# Altium PCB AIR_MOUNT23.PcbDoc (part 1 of 4) (continued)
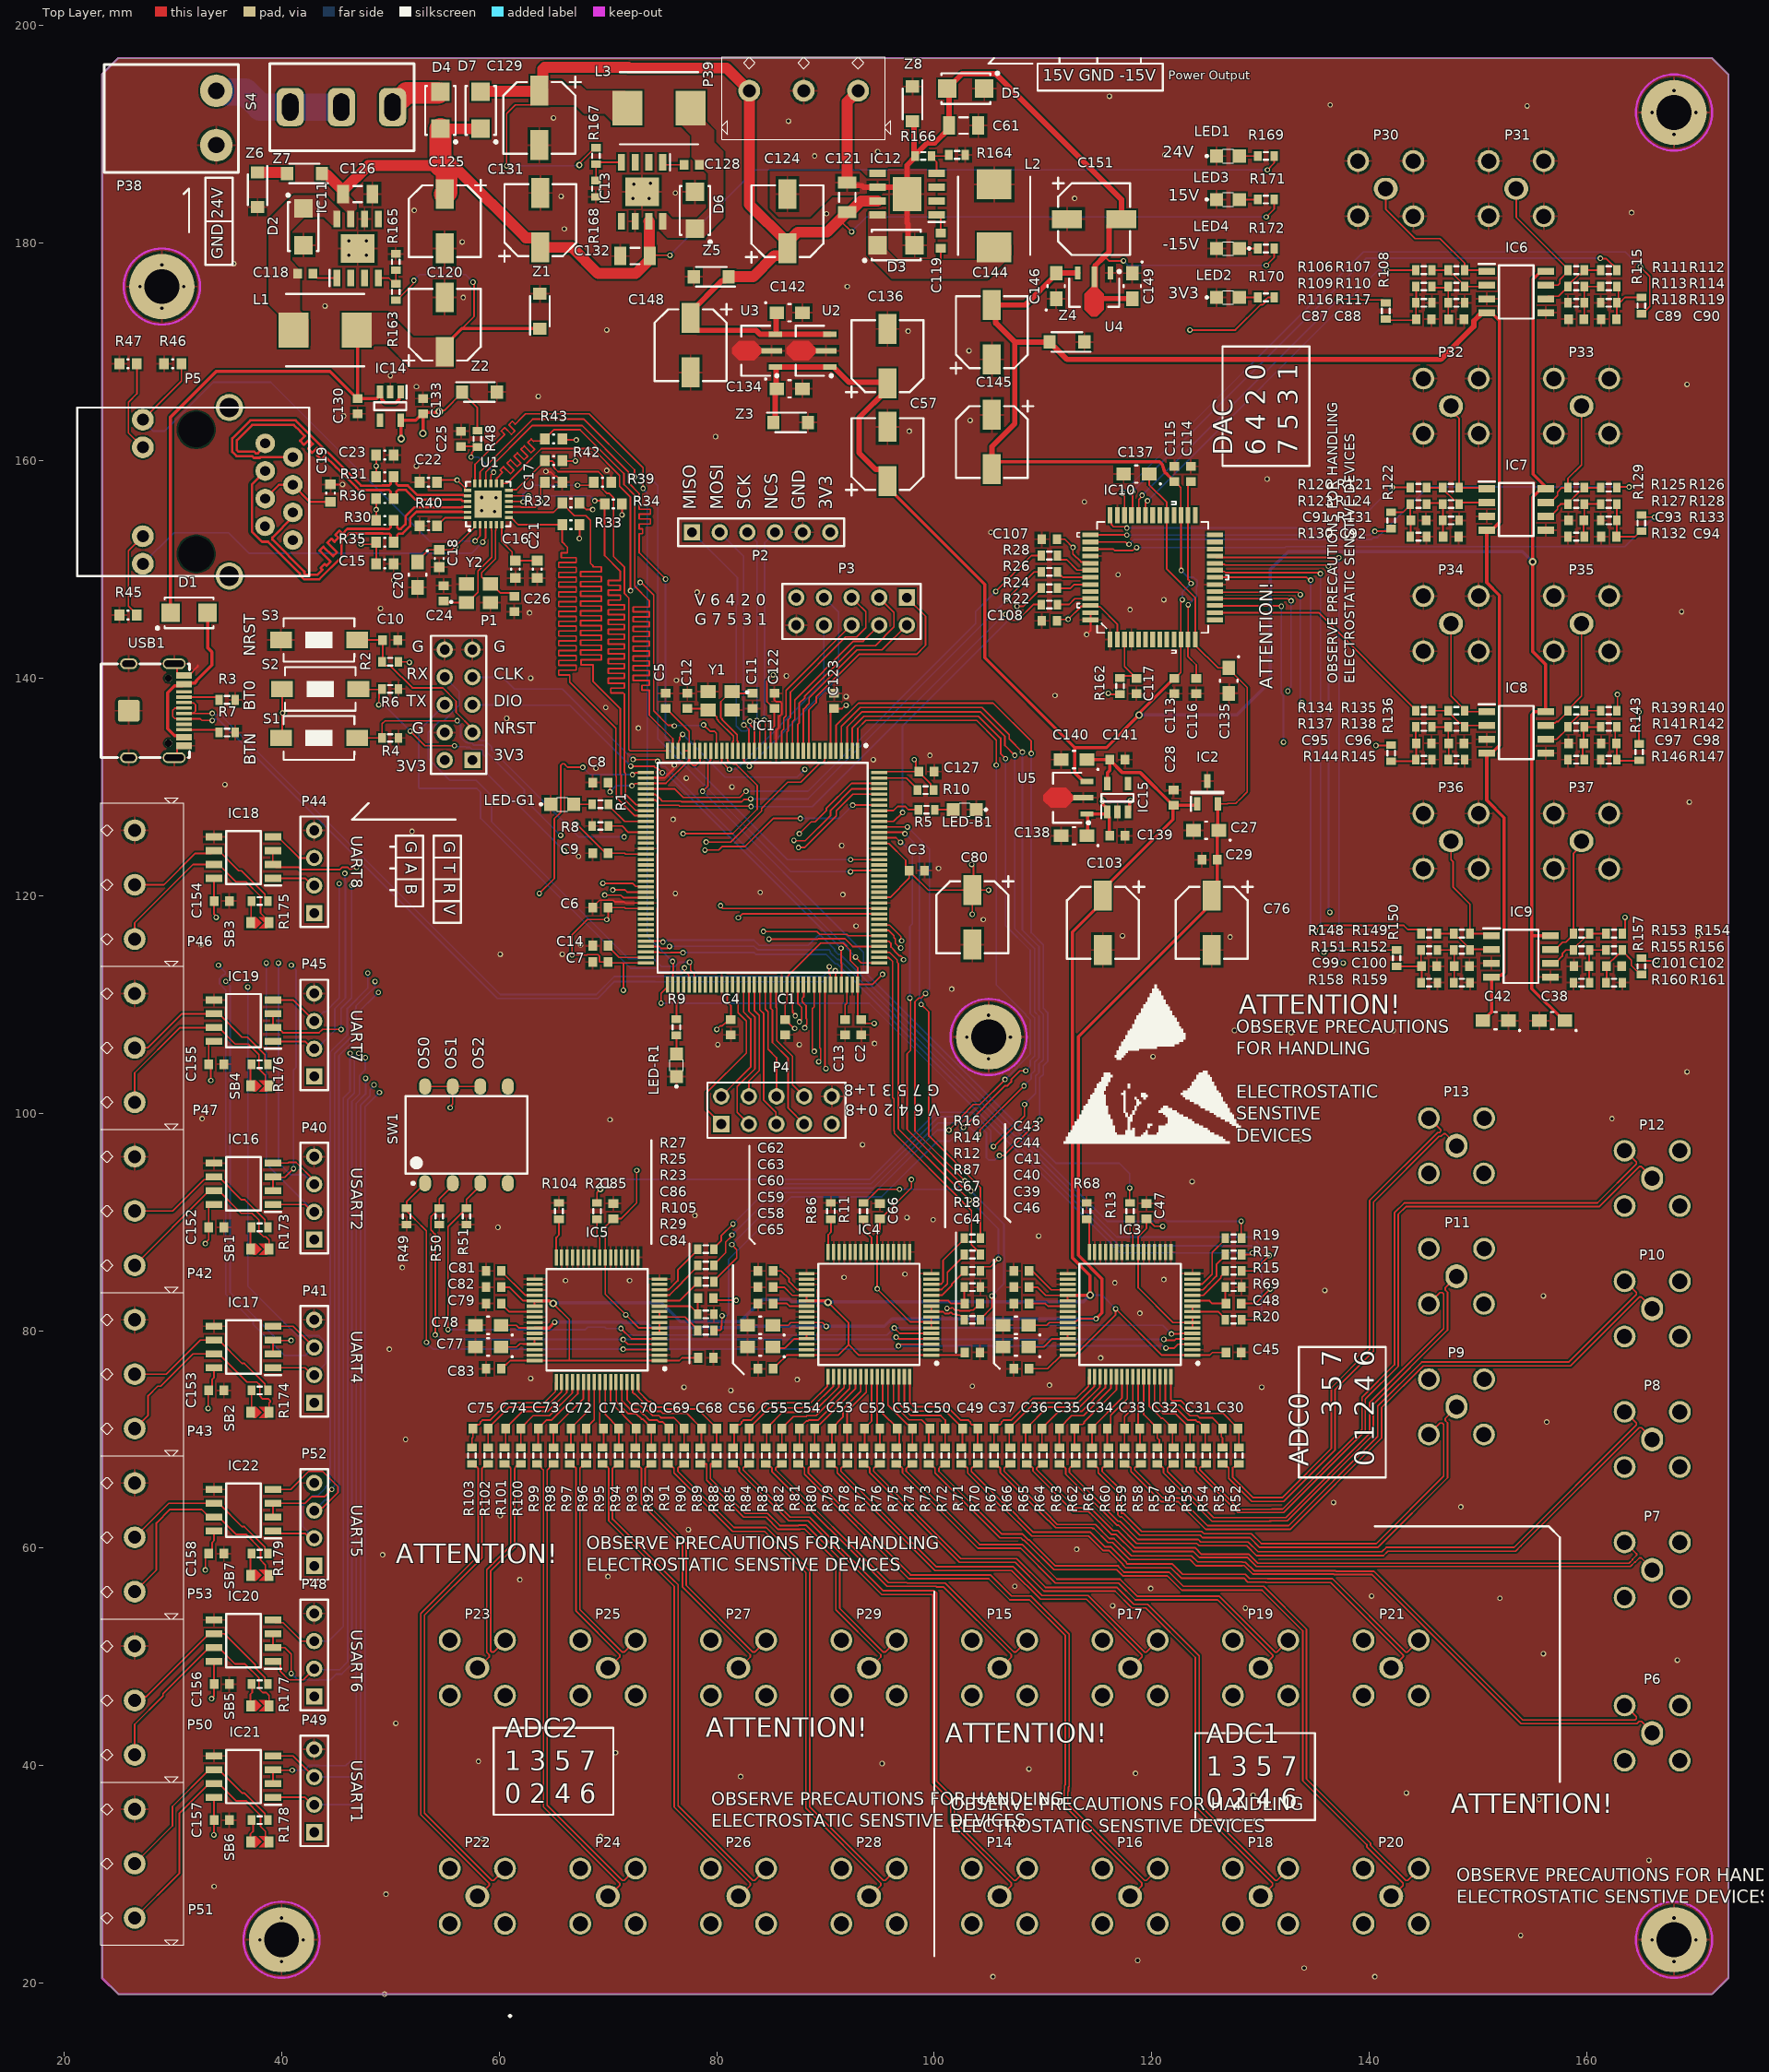
[diagram p0: Top Layer view]
## Components (designator, comment, footprint, x,y, rotation, side; value= is the part's Value field where it differs from the comment) (continued)
R178 "120" J1-0603 38,35 r0 top
R179 "120" J1-0603 38,59.5 r0 top
S1 "SW-PB" SW_PB2_A1 43.5,134.5 r90 top
S2 "SW-PB" SW_PB2_A1 43.5,139 r270 top
S3 "SW-PB" SW_PB2_A1 43.5,143.5 r90 top
S4 "SW-SPDT" S 38.9,188.5 r0 top
SB1 "" SB_0603 38,87.5 r180 top
SB2 "" SB_0603 38,72.5 r180 top
SB3 "" SB_0603 38,117.5 r180 top
SB4 "" SB_0603 38,102.5 r180 top
SB5 "" SB_0603 38,45.5 r180 top
SB6 "" SB_0603 38,33 r180 top
SB7 "" SB_0603 38,57.5 r180 top
SW1 "SWITCH" SWITCH_SMD4P_2.54MM 57,98 r90 top
U1 "LAN8742A-CZ-TR" QFN24_0R5_4X4 59,156 r90 top
U2 "78L12_sot89" SOT89-150P410X160-3L 88.7,170.1 r180 top
U3 "78L12_sot89" SOT89-150P410X160-3L 83.7,170.1 r180 top
U4 "79L12_sot89" SOT89-150P410X160-3L 114.7,175.55 r270 top
U5 "78L06_sot89" SOT89-150P410X160-3L 112.35,129 r180 top
USB1 "TYPEC-304-BCP16" USB-C-SMD_TYPEC-304-BCP16 28.5,137 r270 top
Y1 "SMD-3225_4P_8MHZ" SMD3225_4P12288MHZ12PF10PPM4085 80.3,137.9 r180 top
Y2 "SMD-3225_4P_25MHZ" SMD3225_4P12288MHZ12PF10PPM4085 58.1,147.8 r0 top
Z1 "SMF5.0A" SODFL3718X108N 63.754,173.73 r90 top
Z2 "SMF3.3A" SODFL3718X108N 58.2,166.3 r0 top
Z3 "SMF12A" SODFL3718X108N 86.8,163.5 r0 top
Z4 "SMF12A" SODFL3718X108N 112.2,170.9 r180 top
Z5 "SMF15A" SODFL3718X108N 79.5,176.9 r180 top
Z6 "SMF12A" SODFL3718X108N 37.8,184.9 r270 top
Z7 "SMF12A" SODFL3718X108N 42.1,186.4 r180 top
Z8 "SMF15A" SODFL3718X108N 98,192.8 r270 top

## Footprints (in the part's own frame and the unit in brackets; to place one, negate y for a bottom-side part, rotate by r counter-clockwise, add the part's x,y. Pads: shape width x height; smd on the part's side, far side on the other; paste and mask are expansions set on the pad)
0603C [mm] "Chip Capacitor, Body 1.6x0.8mm, Height 1.0mm, IPC Medium Density"
  rect 0.9x1 smd: 1(-0.8,0) 2(0.8,0)
  silkscreen extent -0.05,-0.4 0.05,0.4, body extent -0.87,-0.48 0.88,0.47, height 1
0603R [mm] "Chip Resistor, Body 1.6x0.8mm, IPC Medium Density"
  rect 0.9x1 smd: 1(-0.8,0) 2(0.8,0)
  silkscreen extent -0.05,-0.4 0.05,0.4, body extent -0.85,-0.47 0.85,0.47, height 0.6
1608[0603] [mm] "Chip Capacitor, Body 1.6x0.8mm, IPC High Density"
  rect 0.8x0.9 smd: 1(-0.7,0) 2(0.7,0)
  body extent -0.87,-0.48 0.87,0.48, height 1.3
C1206 [mm] "Chip Capacitor, Body 3.2x1.6mm, IPC High Density"
  rect 1.1x1.7 smd: 1(-1.35,0) 2(1.35,0)
  silkscreen extent -0.4,-0.75 0.4,0.75, body extent -1.7,-0.9 1.7,0.9, height 1.3
CAPAE7066X77L [mm] "Aluminum Electrolytic Capacitor, Body 6.60x6.60x7.70mm, IPC High Density"
  rect 2.75x1.65 smd: 1(-2.5,0) 2(2.5,0)
  silkscreen extent -3.8,-3.3 3.3,3.8, body extent -3.3,-3.3 3.3,3.3, height 7.7
CAPM3216X18N-CASE-A [mm] "case A 封装钽电容"
  rect 1.35x1.15 smd: 1(-1.175,0) 2(1.175,0)
  silkscreen extent -2.27,-0.8 0.1,0.98, body extent -1.6,-0.8 1.6,0.8, height 1.6
CONNECT_POWER [mm]
  round 3 hole 1.5: 1(2.5,1.4) 2(7.5,1.4)
  silkscreen extent 0,-0.64 9.9,11.7, body extent 0,-0.64 9.91,11.68, height 10
DO-214AC-SMA [mm]
  rect 1.7x1.7 smd: 1(-1.7,0) 2(1.7,0)
  silkscreen extent -2.25,-1.4 3.02,1.52, body extent -2.25,-1.4 2.25,1.4, height 2.4
HDR1X4 [mm] "Connector; Header; 4 Position"
  rect 1.5x1.5 hole 0.9: 1(0,0)
  round 1.5 hole 0.9: 2(2.54,0) 3(5.08,0) 4(7.62,0)
  silkscreen extent -1.27,-1.27 8.89,1.27
HDR1X6 [mm] "Connector; Header; 6 Position"
  rect 1.5x1.5 hole 0.9: 1(0,0)
  round 1.5 hole 0.9: 2(2.54,0) 3(5.08,0) 4(7.62,0) 5(10.16,0) 6(12.7,0)
  silkscreen extent -1.27,-1.27 13.97,1.27
HDR2X5 [mm] "Connector; Header; 5x2 Position"
  rect 1.5x1.5 hole 0.9: 1(0,0)
  round 1.5 hole 0.9: 2(0,2.54) 3(2.54,0) 4(2.54,2.54) 5(5.08,0) 6(5.08,2.54) 7(7.62,0) 8(7.62,2.54) 9(10.16,0) 10(10.16,2.54)
  silkscreen extent -1.27,-1.27 11.43,3.81
HR911105A [mm]
  round 3 hole 3.26 unplated: 0(-11.43,0) 0(0,0)
  round 1.8 hole 0.9: 1(-1.265,-6.35) 2(-2.535,-8.89) 3(-3.805,-6.35) 4(-5.075,-8.89) 5(-6.345,-6.35) 6(-7.615,-8.89) 7(-8.885,-6.33) 8(-10.155,-8.89)
  round 2 hole 1.1: 9(0.91,4.9) 10(-1.63,4.9) 11(-9.8,4.9) 12(-12.34,4.9)
  round 2.5 hole 1.8: 13(-13.46,-3.05) 14(2.03,-3.05)
  silkscreen extent -13.47,-10.38 2.03,10.92
INDPM7266X300N [mm]
  rect 2.75x3.2 smd: 1(-2.9,0) 2(2.9,0)
  silkscreen extent -3.6,-3.32 3.6,3.32, body extent -3.6,-3.32 3.6,3.32, height 3
J1-0603 [mm] "Chip Resistor, Body 1.6x0.8mm, IPC High Density"
  rect 0.7x0.9 smd: 1(-0.75,0) 2(0.75,0)
  silkscreen extent -0.2,-0.35 0.2,0.35, body extent -0.85,-0.48 0.85,0.48, height 0.9
LED0805 [mm]
  rect 1.2x1.2 smd: 1(1.05,0) 2(-1.05,0)
  silkscreen extent -2.05,-0.62 0.5,0.63
PinSocket_1X03_P5.00MM [mm] "螺钉式接线端子5mm"
  round 2 hole 1.2: 1(0,0) 2(5,0) 3(10,0)
  silkscreen extent -3,-3.1 12.5,4.5, body extent -2.5,-3.1 12,4.5, height 10
QFN24_0R5_4X4 [mm] "SQFN 24 Pins, Pitch 0.5mm, 4mmx4mm"
  rect 0.69x0.28 smd: 1(-1.9,1.25) 2(-1.9,0.75) 3(-1.9,0.25) 4(-1.9,-0.25) 5(-1.9,-0.75) 6(-1.9,-1.25) 13(1.9,-1.25) 14(1.9,-0.75) 15(1.9,-0.25) 16(1.9,0.25) 17(1.9,0.75) 18(1.9,1.25)
  rect 0.28x0.69 smd: 7(-1.25,-1.9) 8(-0.75,-1.9) 9(-0.25,-1.9) 10(0.25,-1.9) 11(0.75,-1.9) 12(1.25,-1.9) 19(1.25,1.9) 20(0.75,1.9) 21(0.25,1.9) 22(-0.25,1.9) 23(-0.75,1.9) 24(-1.25,1.9)
  rect 2.5x2.5 smd: 25(0,0)
  silkscreen extent -2.46,-2.05 2.05,2.05, body extent -2.05,-2.05 2.05,2.05, height 1
QFP50P1200X1200X160-64N [mm]
  rect 1.475x0.3 smd: 1(-5.738,3.75) 2(-5.738,3.25) 3(-5.738,2.75) 4(-5.738,2.25) 5(-5.738,1.75) 6(-5.738,1.25) 7(-5.738,0.75) 8(-5.738,0.25) 9(-5.738,-0.25) 10(-5.738,-0.75) 11(-5.738,-1.25) 12(-5.738,-1.75) 13(-5.738,-2.25) 14(-5.738,-2.75) 15(-5.738,-3.25) 16(-5.738,-3.75) 33(5.738,-3.75) 34(5.738,-3.25) 35(5.738,-2.75) 36(5.738,-2.25) 37(5.738,-1.75) 38(5.738,-1.25) 39(5.738,-0.75) 40(5.738,-0.25) 41(5.738,0.25) 42(5.738,0.75) 43(5.738,1.25) 44(5.738,1.75) 45(5.738,2.25) 46(5.738,2.75) 47(5.738,3.25) 48(5.738,3.75)
  rect 0.3x1.475 smd: 17(-3.75,-5.738) 18(-3.25,-5.738) 19(-2.75,-5.738) 20(-2.25,-5.738) 21(-1.75,-5.738) 22(-1.25,-5.738) 23(-0.75,-5.738) 24(-0.25,-5.738) 25(0.25,-5.738) 26(0.75,-5.738) 27(1.25,-5.738) 28(1.75,-5.738) 29(2.25,-5.738) 30(2.75,-5.738) 31(3.25,-5.738) 32(3.75,-5.738) 49(3.75,5.738) 50(3.25,5.738) 51(2.75,5.738) 52(2.25,5.738) 53(1.75,5.738) 54(1.25,5.738) 55(0.75,5.738) 56(0.25,5.738) 57(-0.25,5.738) 58(-0.75,5.738) 59(-1.25,5.738) 60(-1.75,5.738) 61(-2.25,5.738) 62(-2.75,5.738) 63(-3.25,5.738) 64(-3.75,5.738)
  silkscreen extent -6.35,-4.65 4.65,4.65, body extent -6,-6 6,6, height 1.6
QFP50P2200X2200X160-144N [mm]
  rect 1.475x0.3 smd: 1(-10.738,8.75) 2(-10.738,8.25) 3(-10.738,7.75) 4(-10.738,7.25) 5(-10.738,6.75) 6(-10.738,6.25) 7(-10.738,5.75) 8(-10.738,5.25) 9(-10.738,4.75) 10(-10.738,4.25) 11(-10.738,3.75) 12(-10.738,3.25) 13(-10.738,2.75) 14(-10.738,2.25) 15(-10.738,1.75) 16(-10.738,1.25) 17(-10.738,0.75) 18(-10.738,0.25) 19(-10.738,-0.25) 20(-10.738,-0.75) 21(-10.738,-1.25) 22(-10.738,-1.75) 23(-10.738,-2.25) 24(-10.738,-2.75) 25(-10.738,-3.25) 26(-10.738,-3.75) 27(-10.738,-4.25) 28(-10.738,-4.75) 29(-10.738,-5.25) 30(-10.738,-5.75) 31(-10.738,-6.25) 32(-10.738,-6.75) 33(-10.738,-7.25) 34(-10.738,-7.75) 35(-10.738,-8.25) 36(-10.738,-8.75) 73(10.738,-8.75) 74(10.738,-8.25) 75(10.738,-7.75) 76(10.738,-7.25) 77(10.738,-6.75) 78(10.738,-6.25) 79(10.738,-5.75) 80(10.738,-5.25) 81(10.738,-4.75) 82(10.738,-4.25) 83(10.738,-3.75) 84(10.738,-3.25) 85(10.738,-2.75) 86(10.738,-2.25) 87(10.738,-1.75) 88(10.738,-1.25) 89(10.738,-0.75) 90(10.738,-0.25) 91(10.738,0.25) 92(10.738,0.75) 93(10.738,1.25) 94(10.738,1.75) 95(10.738,2.25) 96(10.738,2.75) 97(10.738,3.25) 98(10.738,3.75) 99(10.738,4.25) 100(10.738,4.75) 101(10.738,5.25) 102(10.738,5.75) 103(10.738,6.25) 104(10.738,6.75) 105(10.738,7.25) 106(10.738,7.75) 107(10.738,8.25) 108(10.738,8.75)
  rect 0.3x1.475 smd: 37(-8.75,-10.738) 38(-8.25,-10.738) 39(-7.75,-10.738) 40(-7.25,-10.738) 41(-6.75,-10.738) 42(-6.25,-10.738) 43(-5.75,-10.738) 44(-5.25,-10.738) 45(-4.75,-10.738) 46(-4.25,-10.738) 47(-3.75,-10.738) 48(-3.25,-10.738) 49(-2.75,-10.738) 50(-2.25,-10.738) 51(-1.75,-10.738) 52(-1.25,-10.738) 53(-0.75,-10.738) 54(-0.25,-10.738) 55(0.25,-10.738) 56(0.75,-10.738) 57(1.25,-10.738) 58(1.75,-10.738) 59(2.25,-10.738) 60(2.75,-10.738) 61(3.25,-10.738) 62(3.75,-10.738) 63(4.25,-10.738) 64(4.75,-10.738) 65(5.25,-10.738) 66(5.75,-10.738) 67(6.25,-10.738) 68(6.75,-10.738) 69(7.25,-10.738) 70(7.75,-10.738) 71(8.25,-10.738) 72(8.75,-10.738) 109(8.75,10.738) 110(8.25,10.738) 111(7.75,10.738) 112(7.25,10.738) 113(6.75,10.738) 114(6.25,10.738) 115(5.75,10.738) 116(5.25,10.738) 117(4.75,10.738) 118(4.25,10.738) 119(3.75,10.738) 120(3.25,10.738) 121(2.75,10.738) 122(2.25,10.738) 123(1.75,10.738) 124(1.25,10.738) 125(0.75,10.738) 126(0.25,10.738) 127(-0.25,10.738) 128(-0.75,10.738) 129(-1.25,10.738) 130(-1.75,10.738) 131(-2.25,10.738) 132(-2.75,10.738) 133(-3.25,10.738) 134(-3.75,10.738) 135(-4.25,10.738) 136(-4.75,10.738) 137(-5.25,10.738) 138(-5.75,10.738) 139(-6.25,10.738) 140(-6.75,10.738) 141(-7.25,10.738) 142(-7.75,10.738) 143(-8.25,10.738) 144(-8.75,10.738)
  silkscreen extent -11.35,-9.65 9.65,9.65, body extent -11,-11 11,11, height 1.6
QFP65P1200X1200X160-52N [mil]
  rect 58x17 smd: 1(-225,154) 2(-225,128) 3(-225,102) 4(-225,77) 5(-225,51) 6(-225,26) 7(-225,0) 8(-225,-26) 9(-225,-51) 10(-225,-77) 11(-225,-102) 12(-225,-128) 13(-225,-154) 27(225,-154) 28(225,-128) 29(225,-102) 30(225,-77) 31(225,-51) 32(225,-26) 33(225,0) 34(225,26) 35(225,51) 36(225,77) 37(225,102) 38(225,128) 39(225,154)
  rect 17x58 smd: 14(-154,-225) 15(-128,-225) 16(-102,-225) 17(-77,-225) 18(-51,-225) 19(-26,-225) 20(0,-225) 21(26,-225) 22(51,-225) 23(77,-225) 24(102,-225) 25(128,-225) 26(154,-225) 40(154,225) 41(128,225) 42(102,225) 43(77,225) 44(51,225) 45(26,225) 46(0,225) 47(-26,225) 48(-51,225) 49(-77,225) 50(-102,225) 51(-128,225) 52(-154,225)
  silkscreen extent -274,-274 274,274
S [mm]
  rrect50% 2.5x3.5 hole 1.5 slot 2.5 at 90 deg: 1(1.9,4) 2(6.6,4) 3(11.3,4)
  silkscreen extent 0,0 13.28,8, body extent 0,0 13.21,8, height 10
SB_0603 [mil] "Jumper"
  rect 32x40 smd: 1(33.75,0) 2(-33.75,0)
  Top Layer region: 23.75,20 13.75,20 -6.25,0 13.75,-20 23.75,-20
  Top Layer region: -26.25,0 -16.25,0 3.75,20 -26.25,20
  Top Layer region: -26.25,0 -16.25,0 3.75,-20 -26.25,-20
SMA-KH-SMA-KE-Z [mm]
  oval 2x2.2 hole 1.4: 1(0,0)
  round 2 hole 1.4: 2(-2.54,-2.54) 2(-2.533,2.54) 2(2.54,2.54) 2(2.54,-2.54)
SMD3225_4P12288MHZ12PF10PPM4085 [mm]
  rect 1.4x1.2 smd: 1(-1.1,-0.85) 2(1.1,-0.85) 3(1.1,0.85) 4(-1.1,0.85)
  silkscreen extent -2.6,-0.9 -2.4,-0.7, body extent -1.68,-1.33 1.68,1.33, height 0.9
SODFL3718X108N [mm]
  rect 1.12x1.22 smd: 1(-1.6,0) 2(1.6,0)
  silkscreen extent -2.16,-0.9 1.4,0.9, body extent -1.85,-0.9 1.85,0.9, height 1.08
SOIC127P600X170-9N [mm]
  rect 1.525x0.65 smd: 1(-2.712,1.905) 2(-2.712,0.635) 3(-2.712,-0.635) 4(-2.712,-1.905) 5(2.712,-1.905) 6(2.712,-0.635) 7(2.712,0.635) 8(2.712,1.905)
  rect 2.6x3.1 smd: 9(0,0)
  silkscreen extent -3.47,2.58 -1.95,2.58, body extent -3.01,-2.45 3.01,2.45, height 1.57
SOIC127P600X175-8N [mm]
  rect 1.525x0.65 smd: 1(-2.712,1.905) 2(-2.712,0.635) 3(-2.712,-0.635) 4(-2.712,-1.905) 5(2.712,-1.905) 6(2.712,-0.635) 7(2.712,0.635) 8(2.712,1.905)
  silkscreen extent -3.48,-2.45 1.6,2.58, body extent -3,-2.45 3,2.45, height 1.75
SOT89-150P410X160-3L [mm] "SOT89, 3-Leads, Body 4.50x2.45mm, Pitch 1.50mm, Lead Span 4.1mm, IPC High Density"
  rect 1.2x0.5 smd: 1(-1.7,1.5) 3(-1.7,-1.5)
  rect 1.9x0.5 smd: 2(-1.35,0)
  Top Layer region: -0.65,0 0.25,0.9 1.65,0.9 2.3,0.25 2.3,-0.25 1.65,-0.9 0.25,-0.9
  silkscreen extent -1.95,-2.3 1.42,2.42, body extent -1.18,-2.3 1.42,2.3, height 1.6
SOT95P237X112-3N [mm]
  rect 1.25x0.6 smd: 1(-1.05,0.95) 2(-1.05,-0.95) 3(1.05,0)
  silkscreen extent -1.67,-1.46 0.08,1.5, body extent -1.27,-1.46 1.27,1.46, height 1
SOT95P282X145-5N [mm]
  rect 1.2x0.6 smd: 1(-1.3,0.95) 2(-1.3,0) 3(-1.3,-0.95) 4(1.3,-0.95) 5(1.3,0.95)
  silkscreen extent -1.9,-1.47 0.35,1.5, body extent -1.41,-1.47 1.41,1.47, height 1.45
SW_PB2_A1 [mm]
  rect 1.5x2 smd: 1(0,3.556) 2(0,-3.444)
  silkscreen extent -2,-3.19 2,3.31, body extent -2.03,-3.17 2.03,3.3, height 1.2
SWITCH_SMD4P_2.54MM [mm] "拨码开关4p"
  oval 1.5x1.1 smd: 1(-4.45,3.81) 2(-4.45,1.27) 3(-4.45,-1.27) 4(-4.45,-3.81) 5(4.45,-3.81) 6(4.45,-1.27) 7(4.45,1.27) 8(4.45,3.81)
  silkscreen extent -4.57,-5.6 3.57,5.6, body extent -3.1,-5.6 3.1,5.6, height 4
USB-C-SMD_TYPEC-304-BCP16 [mm]
  oval 1x2.1 hole 0.6 slot 1.8 at 90 deg: 13(-4.32,1.633) 14(4.32,1.633)
  oval 1x1.6 hole 0.6 slot 1.2 at 90 deg: 15(-4.32,-2.547) 16(4.32,-2.547)
  rrect20% 2x2 smd: 15(0,-2.547)
  rect 0.6x1.45 smd: A1B12(-3.225,2.548) A4B9(-2.45,2.548) B1A12(3.22,2.548) B4A9(2.45,2.548)
  rect 0.3x1.45 smd: A5(-1.25,2.547) A6(-0.25,2.548) A7(0.25,2.548) A8(1.25,2.548) B5(1.75,2.548) B6(0.75,2.548) B7(-0.75,2.548) B8(-1.75,2.548)
  round 0.7 hole 0.7 unplated: ""(-2.98,1.103) ""(2.98,1.103)
  silkscreen extent -4.32,-5.08 4.32,3.05

## Part data
C1 C2 C3 C4 C5 C6 C7 C8 C9 C10 C11 C12 C13 C14 C24 C25 C26 C28 C29 C30 C31 C32 C33 C34 C35 C36 C37 C41 C43 C44 C45 C46 C47 C48 C49 C50 C51 C52 C53 C54 C55 C56 C60 C61 C62 C63 C64 C65 C66 C67 C68 C69 C70 C71 C72 C73 C74 C75 C79 C81 C82 C83 C84 C85 C86 C87 C88 C89 C90 C91 C92 C93 C94 C95 C96 C97 C98 C99 C100 C101 C102 C107 C108 C113 C114 C115 C116 C117 C118 C119 C121 C122 C123 C126 C127 C128 C130 C132 C133 C139 C141 C152 C153 C154 C155 C156 C157 C158: library part "Cap Semi", "Capacitor (Semiconductor SIM Model)", LatestRevisionDate=29-May-2009, LatestRevisionNote="IPC-7351 Footprint Added.", PackageDescription="Chip Capacitor", PackageReference=C1206, Published=8-Jun-2000, Publisher="Altium Limited"
C15 C16 C17 C18 C19 C22 C23: library part Capacitor_ST, "Capacitor 0402 / 0603 / 0805", Revision="July-2002: Re-released for DXP Platform."
C20 C27 C38 C39 C40 C42 C58 C59 C77 C78 C134 C135 C137 C138 C140 C142 C146 C149: library part "3216 10uF (106) 10% 16V", "钽电容", Package=3216, SuppliersPartNumber=C7171, ComponentLink1Description=供应商链接, ComponentLink1URL=http://www.szlcsc.com/product/details_7643.html, Supplier=LC
C21: library part "CAP SMD 0603  X5R 1�F 25V 10%", "0603  X5R 1�F", Rated voltage=25V, Temperature Max=+125�C, Temperature Min=-55�C, Tolerance=10%, Order code Farnell=1288202RL, Technology=X5R
C57 C76 C80 C103 C120 C124 C125 C129 C131 C136 C144 C145 C148 C151: library part "Cap Pol1", "Polarized Capacitor (Radial)", LatestRevisionDate=17-Jul-2002, LatestRevisionNote="Re-released for DXP Platform.", PackageDescription="Polarized Capacitor (Radial); 2 Leads", PackageReference=RB7.6-15, Published=8-Jun-2000, Publisher="Altium Limited"
D1 D2 D3 D4 D5 D6 D7: library part Diode, "Default Diode", Code_JEDEC=DO-214-AB, LatestRevisionDate=17-Jul-2002, LatestRevisionNote="Re-released for DXP Platform.", PackageDescription="DO-214-AB/SMC; 2 C-Bend Leads; Body 7.9 x 5.9 mm, inc. leads (LxW)", PackageReference=SMC, PackageVersion=Sep-1996, Published=8-Jun-2000, Publisher="Altium Limited"
IC1: "Integrated Circuit", Manufacturer_Name=STMicroelectronics, Mouser Part Number=511-STM32F429ZIT6, Arrow Part Number=STM32F429ZIT6, Arrow Price/Stock=https://www.arrow.com/en/products/stm32f429zit6/stmicroelectronics?region=nac, Datasheet Link=http://www.st.com/web/en/resource/technical/document/datasheet/DM00071990.pdf, Height=1.6mm, Manufacturer_Part_Number=STM32F429ZIT6, Mouser Price/Stock=https://www.mouser.co.uk/ProductDetail/STMicroelectronics/STM32F429ZIT6?qs=DqCdCwOw4%2F5LWpMGYjTR8w%3D%3D
IC2: "Integrated Circuit", Manufacturer_Name="Texas Instruments", Mouser Part Number=595-REF3025AIDBZR, Arrow Part Number=REF3025AIDBZR, Arrow Price/Stock=https://www.arrow.com/en/products/ref3025aidbzr/texas-instruments?region=nac, Datasheet Link=http://www.ti.com/lit/gpn/ref3025, Height=1.12mm, Manufacturer_Part_Number=REF3025AIDBZR, Mouser Price/Stock=https://www.mouser.co.uk/ProductDetail/Texas-Instruments/REF3025AIDBZR?qs=sSOk4GDDv7xc9PQEJ%2FIkkg%3D%3D
IC3 IC4 IC5: "Integrated Circuit", Manufacturer_Name="Analog Devices", Mouser Part Number=584-AD7606BBSTZ, Arrow Part Number=AD7606BBSTZ, Arrow Price/Stock=https://www.arrow.com/en/products/ad7606bbstz/analog-devices?region=nac, Datasheet Link=https://www.analog.com/media/en/technical-documentation/data-sheets/AD7606B.pdf, Height=1.6mm, Manufacturer_Part_Number=AD7606BBSTZ, Mouser Price/Stock=https://www.mouser.co.uk/ProductDetail/Analog-Devices/AD7606BBSTZ?qs=%252B6g0mu59x7K4V6DmnEpfIQ%3D%3D
IC6 IC7 IC8 IC9: "Integrated Circuit", Manufacturer_Name="Texas Instruments", Mouser Part Number=595-OPA2197IDR, Arrow Part Number=OPA2197IDR, Arrow Price/Stock=https://www.arrow.com/en/products/opa2197idr/texas-instruments?region=nac, Datasheet Link=https://componentsearchengine.com/Datasheets/2/OPA2197IDR.pdf, Height=1.75mm, Manufacturer_Part_Number=OPA2197IDR, Mouser Price/Stock=https://www.mouser.co.uk/ProductDetail/Texas-Instruments/OPA2197IDR?qs=LuYMPh7GGMTV7Fo%252BZRgbTw%3D%3D
IC10: "Integrated Circuit", Manufacturer_Name="Analog Devices", Mouser Part Number=584-AD5360BSTZ, Arrow Part Number=AD5360BSTZ, Arrow Price/Stock=https://www.arrow.com/en/products/ad5360bstz/analog-devices, Manufacturer_Part_Number=AD5360BSTZ, Mouser Price/Stock=https://www.mouser.co.uk/ProductDetail/Analog-Devices/AD5360BSTZ?qs=NmRFExCfTkGIdG1K8fhaCg%3D%3D
IC11 IC12 IC13: "Integrated Circuit", Manufacturer_Name="Texas Instruments", Mouser Part Number=595-TPS5430DDAR, Arrow Part Number=TPS5430DDAR, Arrow Price/Stock=https://www.arrow.com/en/products/tps5430ddar/texas-instruments?region=nac, Datasheet Link=http://www.ti.com/lit/gpn/tps5430, Height=1.7mm, Manufacturer_Part_Number=TPS5430DDAR, Mouser Price/Stock=https://www.mouser.co.uk/ProductDetail/Texas-Instruments/TPS5430DDAR?qs=zwk82MlA57ZJdOTovH1aYA%3D%3D
IC14 IC15: library part ME6211C33M5G, "Integrated Circuit", Manufacturer_Name=Microne, Datasheet Link=http://xinhuidianzi.com.cn/UploadSysFiles/files/LDO-series/ME6211-Series_E15.0.pdf, Height=1.45mm, Manufacturer_Part_Number=ME6211C33M5G
IC16 IC17 IC18 IC19 IC20 IC21 IC22: "Integrated Circuit", Manufacturer_Name="Analog Devices", Mouser Part Number=700-MAX3485EESA, Arrow Part Number=MAX3485EESA+, Arrow Price/Stock=https://www.arrow.com/en/products/max3485eesa/maxim-integrated?region=nac, Datasheet Link=https://datasheet.datasheetarchive.com/originals/distributors/Datasheets-18/DSA-341145.pdf, Height=1.75mm, Manufacturer_Part_Number=MAX3485EESA+, Mouser Price/Stock=https://www.mouser.co.uk/ProductDetail/Maxim-Integrated/MAX3485EESA%2b?qs=1THa7WoU59HLsdsozrMCeQ%3D%3D
L1 L2 L3: library part ASPI-0630HI-4R7M-T15, "Inductor", Manufacturer_Name=ABRACON, Mouser Part Number=815-ASPI0630HI4R7T15, Arrow Part Number=ASPI-0630HI-4R7M-T15, Arrow Price/Stock=https://www.arrow.com/en/products/aspi-0630hi-4r7m-t15/abracon, Datasheet Link=https://abracon.com/Support/PackageDrawing/Magnetics/ASPI-0630HI.PDF, Height=3mm, Manufacturer_Part_Number=ASPI-0630HI-4R7M-T15, Mouser Price/Stock=https://www.mouser.com/Search/Refine.aspx?Keyword=815-ASPI0630HI4R7T15
LED1 LED2 LED3 LED4 LED-B1 LED-G1 LED-R1: library part LED, "LED", Arrow Part Number=17-21SURC/S530-A3/TR8, Manufacturer_Name=Everlight, Mouser Part Number=638-1721SURCS530A3, Arrow Price/Stock=https://www.arrow.com/en/products/17-21surcs530-a3tr8/everlight-electronics?region=nac, Datasheet Link=https://everlighteurope.com/index.php?controller=attachment?id_attachment=6172, Manufacturer_Part_Number=17-21SURC/S530-A3/TR8, Mouser Price/Stock=https://www.mouser.co.uk/ProductDetail/Everlight/17-21SURC-S530-A3-TR8?qs=8PzhAHr7IdPIULW1xNE5Hw%3D%3D
P1 P3 P4: "Header, 5-Pin, Dual row", LatestRevisionDate=17-Jul-2002, LatestRevisionNote="Re-released for DXP Platform.", Publisher="Altium Limited"
P2: "Header, 6-Pin", LatestRevisionDate=17-Jul-2002, LatestRevisionNote="Re-released for DXP Platform.", Publisher="Altium Limited"
P6 P7 P8 P9 P10 P11 P12 P13 P14 P15 P16 P17 P18 P19 P20 P21 P22 P23 P24 P25 P26 P27 P28 P29 P30 P31 P32 P33 P34 P35 P36 P37: "BNC Elbow Connector", LatestRevisionDate=17-Jul-2002, LatestRevisionNote="Re-released for DXP Platform.", Publisher="Altium Limited"
P38: "Header, 2-Pin", LatestRevisionDate=17-Jul-2002, LatestRevisionNote="Re-released for DXP Platform.", Publisher="Altium Limited"
P39 P42 P43 P46 P47 P50 P51 P53: "Header, 3-Pin", LatestRevisionDate=17-Jul-2002, LatestRevisionNote="Re-released for DXP Platform.", Publisher="Altium Limited"
P40 P41 P44 P45 P48 P49 P52: "Header, 4-Pin", LatestRevisionDate=17-Jul-2002, LatestRevisionNote="Re-released for DXP Platform.", Publisher="Altium Limited"
R1 R2 R3 R4 R5 R6 R7 R8 R9 R10 R11 R12 R13 R14 R15 R16 R17 R18 R19 R20 R21 R22 R23 R24 R25 R26 R27 R28 R29 R48 R49 R50 R51 R52 R53 R54 R55 R56 R57 R58 R59 R60 R61 R62 R63 R64 R65 R66 R67 R68 R69 R70 R71 R72 R73 R74 R75 R76 R77 R78 R79 R80 R81 R82 R83 R84 R85 R86 R87 R88 R89 R90 R91 R92 R93 R94 R95 R96 R97 R98 R99 R100 R101 R102 R103 R104 R105 R106 R107 R108 R109 R110 R111 R112 R113 R114 R115 R116 R117 R118 R119 R120 R121 R122 R123 R124 R125 R126 R127 R128 R129 R130 R131 R132 R133 R134 R135 R136 R137 R138 R139 R140 R141 R142 R143 R144 R145 R146 R147 R148 R149 R150 R151 R152 R153 R154 R155 R156 R157 R158 R159 R160 R161 R162 R163 R164 R165 R166 R167 R168 R169 R170 R171 R172 R173 R174 R175 R176 R177 R178 R179: library part Res3, "Resistor", LatestRevisionDate=29-May-2009, LatestRevisionNote="IPC-7351 Footprint Added.", PackageDescription="Chip Resistor", PackageReference=J1-0603, Published=8-Jun-2000, Publisher="Altium Limited"
R30 R31 R35 R36: library part Res_50_1%_0603, "Resistor,50,0603,1%,YAGEO", Manuf_1=YAGEO, Manuf_Part_1=RC0402FR-0750RL, Distrib=FARNELL, ECCN_US/EU=n/a
R32 R33 R34 R39 R43 R45 R46 R47: library part Resistor_ST, "Resistor 0402 / 0603 / 0805"
R40: library part Res_12K1_1%_0603, "Resistor,12K1,0603,1%,VISHAY", Manuf_1=VISHAY, Manuf_Part_1="MCT 0603-50 1% P5 12K1", Distrib=FARNELL, ECCN_US/EU=n/a, Order=2325243
R42: library part Res_1K5_1%_0402, "Resistor,1K5,0402,1%,YAGEO", Manuf_1=YAGEO, Manuf_Part_1=RC0402FR-071K5L, Distrib=FARNELL, ECCN_US/EU=n/a, Order=RC0402FR-071K5L
S1 S2 S3: "Switch", LatestRevisionDate=17-Jul-2002, LatestRevisionNote="Re-released for DXP Platform.", PackageDescription="Switch; 2 Leads", PackageReference=SPST-2, Published=24-Mar-1999, Publisher="Altium Limited"
S4: "开关", ComponentLink1Description="Manufacturer Link", ComponentLink1URL=http://www.apem.com, DatasheetDocument=05-Dec-2000, LatestRevisionDate=17-Dec-2003, LatestRevisionNote="Schematic revised, PCB Footprint replaced.", PackageReference=TL36WW15050, Published=24-Mar-1999, Publisher="Altium Limited"
SB1 SB2 SB3 SB4 SB5 SB6 SB7: library part "Circuit Breaker_close", "Circuit Breaker", Published=24-Mar-1999, Publisher="Altium Limited", Revision="July-2002: Re-released for DXP Platform."
SW1: library part SWITCH_SMD4P_2.54MM, "SMD 拨码开关4pin"
U1: "LAN8742A-CZ-TR - Small Footprint RMII 10/100 Ethernet, Transceiver with HP Auto-MDIX and flexPWR Technology SQFN-24", Manuf_1=MICROCHIP, Distrib=MICROCHIP, Manuf_Part_1=LAN8742A-CZ-TR, Order=LAN8742A-CZ-TR
U2 U3 U5: library part 78Lxx_sot89
U4: library part 79Lxx_sot89
USB1: BOM_JLCPCB Part Class="Extended Part", BOM_Manufacturer=XUNPU, BOM_Manufacturer Part=TYPEC-304-BCP16, BOM_Supplier=LCSC, BOM_Supplier Part=C720629, Contributor=LCSC, spicePre=U, spiceSymbolName=TYPEC-304-BCP16
Y1 Y2: library part SMD-3225_4P_12.288MHZ_12PF_10PPM_-40~+85, "Crystal or Oscillator", Manufacturer_Name="TAE(Zhejiang Abel Elec)", Manufacturer_Part_Number="SMD-3225_4P 12.288MHZ 12PF 10PPM -40~+85¡æ", Datasheet Link=https://datasheet.lcsc.com/szlcsc/1901241506_Zhejiang-Abel-Elec-SMD-3225-4P-12-288MHZ-12PF-10PPM-40-85_C362472.pdf, Height=0.8mm
Z1 Z2 Z3 Z4 Z5 Z6 Z7 Z8: library part SMF24A-E3-08, "Zener Diode", Manufacturer_Name=Vishay, Mouser Part Number=78-SMF24A-E3-08, Arrow Part Number=SMF24A-E3-08, Arrow Price/Stock=https://www.arrow.com/en/products/smf24a-e3-08/vishay?region=nac, Datasheet Link=https://datasheet.datasheetarchive.com/originals/distributors/Datasheets-DGA26/1842521.pdf, Height=1.08mm, Manufacturer_Part_Number=SMF24A-E3-08, Mouser Price/Stock=https://www.mouser.co.uk/ProductDetail/Vishay-Semiconductors/SMF24A-E3-08?qs=EyVtPm1F4imZcejQQ1SSmA%3D%3D

## Free pads (board coordinates)
  round 6 hole 3.2 unplated: 15(29,176) 15(40,24) 15(105,107) 15(168,24) 15(168,192)

## Via types
v1: diameter 0.5, hole 0.3, Top Layer to Bottom Layer, tented both sides, 452 vias
v2: diameter 0.7, hole 0.4, Top Layer to Bottom Layer, 8 vias
v3: diameter 0.6, hole 0.3, Top Layer to Bottom Layer, tented both sides, 2 vias
v4: diameter 0.66, hole 0.33, Top Layer to Bottom Layer, 2 vias